# EAGLE board ControlModule-pan2 (EAGLE 7.2.0), part 2 of 9 (continued)
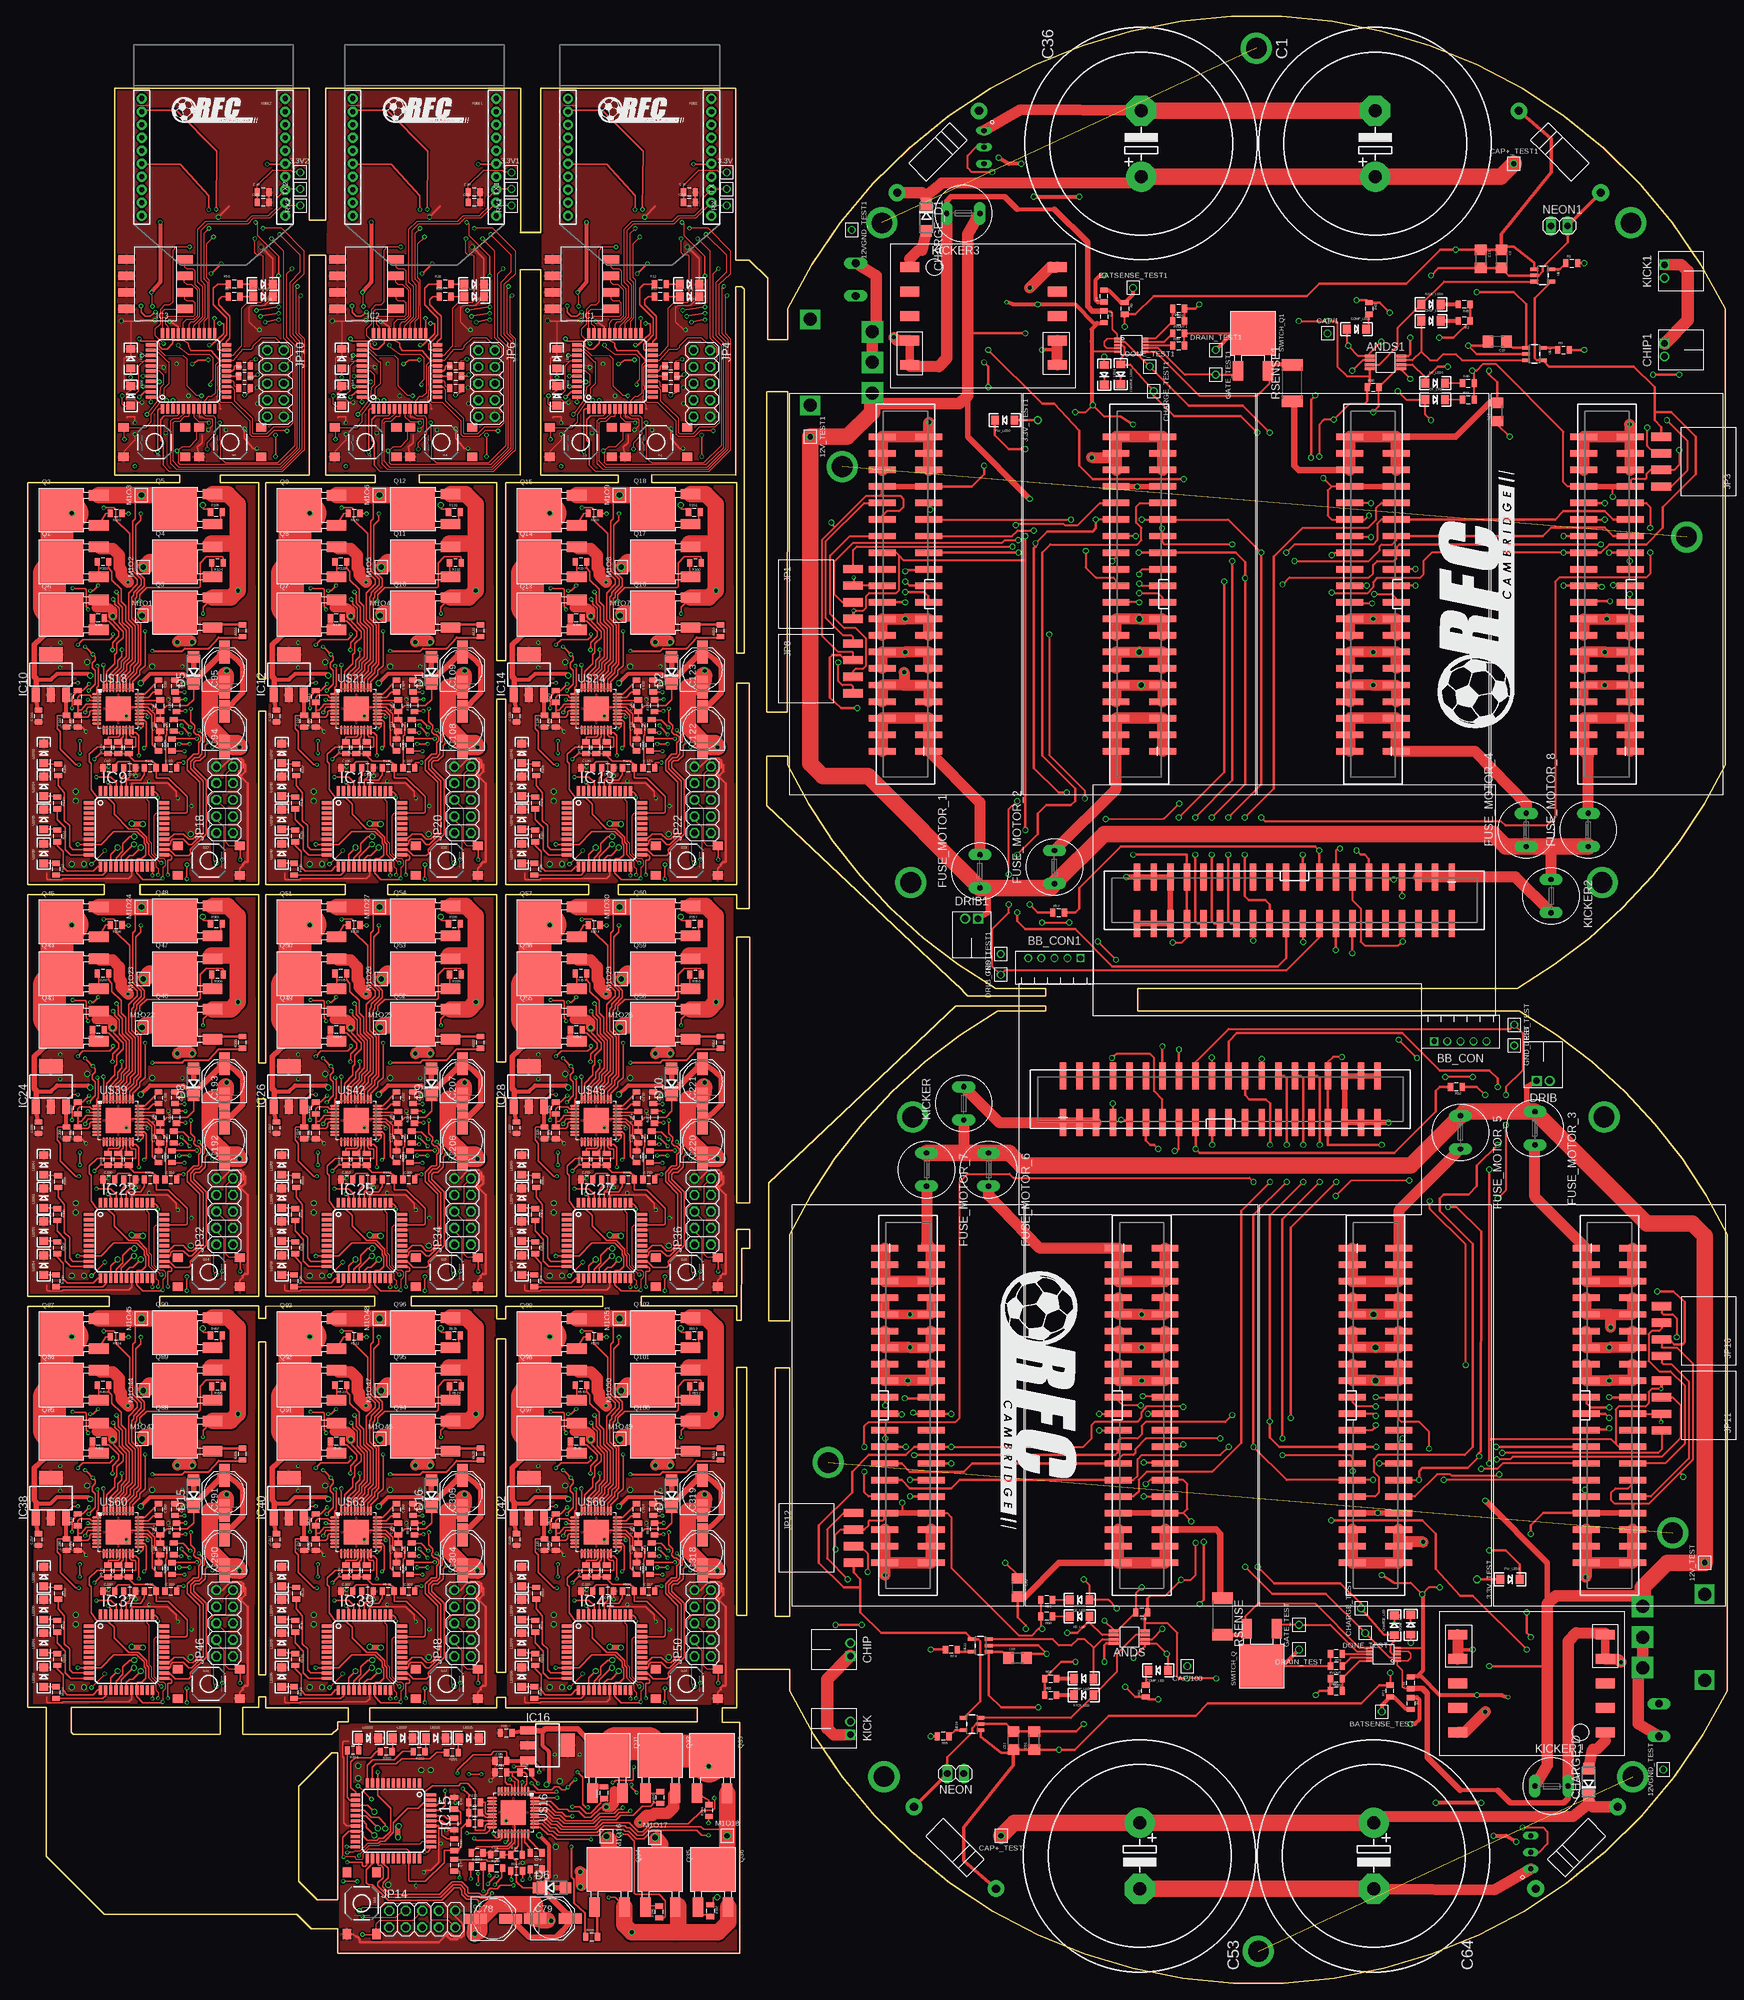
[diagram p0: board, top side]
## Nets (continued)
MOSI24: IC41.15 R545.1
N$1: DRAIN_TEST1.P$1 R39.2 RVOUT1.2 SWITCH_Q1.DRAIN U$2.P$6 U$2.P$7
N$2: CHARGE_U1.P$8 R39.1
N$3: CHARGE_U1.P$6 RSENSE1.2 SWITCH_Q1.SOURCE
N$4: IC1.23 R21.1
N$5: C4.1 CHARGE_U1.P$10 RBG1.2
N$6: JP2.28 R20.2
N$7: LED9.A R10.1
N$8: CHARGE_U1.P$9 RVOUT1.1
N$9: CHARGE_U1.P$7 GATE_TEST1.P$1 SWITCH_Q1.GATE
N$10: R1.1 U$7.5
N$11: R9.1 U$1.5
N$12: LED1.A R11.1
N$13: LED2.A R12.1
N$14: LED3.A R17.1
N$15: JP2.32 R18.2
N$16: JP2.30 R19.2
N$17: IC2.23 R33.1
N$18: JP5.28 R32.2
N$19: LED7.A R26.1
N$20: LED4.A R27.1
N$21: LED5.A R28.1
N$22: LED6.A R29.1
N$23: JP5.32 R30.2
N$24: JP5.30 R31.2
N$25: KICK_Q3.GATE R9.2
N$26: KICK_Q2.GATE R1.2
N$27: KE_LED1.C R40.1
N$28: CE_LED1.C R41.1
N$29: COMP_LED1.C R42.2
N$30: KICK_LED1.C R45.2
N$31: CHIP_LED1.C R2.2
N$32: DONE_LED1.C R4.1
N$33: CHARGE_LED1.C R3.1
N$34: BB_CON1.4 R8.2
N$35: PW_LED2.C R16.2
N$36: FUSE_MOTOR_4.2 MOTOR7.1 MOTOR7.2 MOTOR7.3 MOTOR7.4 MOTOR7.5 MOTOR7.6
N$37: FUSE_MOTOR_8.2 MOTOR8.1 MOTOR8.2 MOTOR8.3 MOTOR8.4 MOTOR8.5 MOTOR8.6
N$38: FUSE_MOTOR_2.2 MOTOR6.1 MOTOR6.2 MOTOR6.3 MOTOR6.4 MOTOR6.5 MOTOR6.6
N$39: FUSE_MOTOR_1.2 MOTOR5.1 MOTOR5.2 MOTOR5.3 MOTOR5.4 MOTOR5.5 MOTOR5.6
N$40: BB_CON1.1 R13.2
N$41: COM_BOARD1.1 COM_BOARD1.3 COM_BOARD1.5 KICKER2.2
N$46: R46.1 U$8.LOWER_RIGHT U$9.RIGHT
N$47: R46.2 R47.1 R48.2 U$9.CENTER
N$48: R49.1 U$8.LOWER_LEFT
N$49: R48.1 R50.2 U$10.4
N$50: R51.2 U$10.1
N$51: U$8.TAB U$11.-
N$52: MOTOR6.7 MOTOR6.8 MOTOR6.9 MOTOR6.10 U$12.10 U$12.11
N$53: MOTOR6.11 MOTOR6.12 MOTOR6.13 MOTOR6.14 U$12.8 U$12.9
N$54: MOTOR6.15 MOTOR6.16 MOTOR6.17 MOTOR6.18 U$12.6 U$12.7
N$55: MOTOR6.20 U$12.4
N$56: MOTOR6.19 U$12.3
N$57: MOTOR6.21 U$12.2
N$58: MOTOR6.23 U$12.1
N$59: MOTOR5.7 MOTOR5.8 MOTOR5.9 MOTOR5.10 U$27.10 U$27.11
N$60: MOTOR5.11 MOTOR5.12 MOTOR5.13 MOTOR5.14 U$27.8 U$27.9
N$61: MOTOR5.15 MOTOR5.16 MOTOR5.17 MOTOR5.18 U$27.6 U$27.7
N$62: MOTOR5.20 U$27.4
N$63: MOTOR5.19 U$27.3
N$64: MOTOR5.21 U$27.2
N$65: JP17.27 R98.2
N$66: JP17.29 R99.2
N$67: Q6.GATE R100.2
N$68: Q1.GATE R101.2
N$69: Q2.GATE R102.2
N$70: Q3.GATE R103.2
N$71: Q4.GATE R104.2
N$72: Q5.GATE R105.2
N$73: R100.1 U$18.38
N$74: R105.1 U$18.34
N$75: R104.1 U$18.37
N$76: R103.1 U$18.40
N$77: R101.1 U$18.35
N$78: R102.1 U$18.32
N$79: LED33.A R109.1
N$80: JP17.25 R97.2
N$81: C91.2 IC9.40
N$82: C90.1 U$18.30
N$83: C98.2 U$18.28
N$84: C89.2 U$18.25
N$85: R107.1 U$18.20
N$86: R118.2 U$18.18
N$87: R113.2 U$18.17
N$88: R119.2 U$18.16
N$89: R120.1 U$18.22
N$90: JP17.31 R121.2
N$91: R122.2 R123.1 U$18.2 U$18.4 U$18.6
N$92: C90.2 U$18.29
N$93: JP19.27 R126.2
N$94: JP19.29 R127.2
N$95: Q7.GATE R128.2
N$96: Q8.GATE R129.2
N$97: Q9.GATE R130.2
N$98: R106.1 U$18.21
N$99: Q10.GATE R131.2
N$100: Q11.GATE R132.2
N$101: Q12.GATE R133.2
N$102: R128.1 U$21.38
N$103: R133.1 U$21.34
N$104: R132.1 U$21.37
N$105: R131.1 U$21.40
N$106: R129.1 U$21.35
N$107: R130.1 U$21.32
N$108: R134.1 U$21.21
N$109: LED37.A R137.1
N$110: LED38.A R138.1
N$111: LED39.A R139.1
N$112: LED40.A R140.1
N$113: JP19.25 R125.2
N$114: LED34.A R110.1
N$115: C105.2 IC11.40
N$116: C104.1 U$21.30
N$117: LED35.A R111.1
N$118: C112.2 U$21.28
N$119: LED36.A R112.1
N$120: C103.2 U$21.25
N$121: R135.1 U$21.20
N$122: R146.2 U$21.18
N$123: R141.2 U$21.17
N$124: R147.2 U$21.16
N$125: R148.1 U$21.22
N$126: JP19.31 R149.2
N$127: R150.2 R151.1 U$21.2 U$21.4 U$21.6
N$128: C104.2 U$21.29
N$129: JP21.27 R154.2
N$130: JP21.29 R155.2
N$131: Q13.GATE R156.2
N$132: Q14.GATE R157.2
N$133: Q15.GATE R158.2
N$134: Q16.GATE R159.2
N$135: Q17.GATE R160.2
N$136: Q18.GATE R161.2
N$137: R156.1 U$24.38
N$138: R161.1 U$24.34
N$139: R160.1 U$24.37
N$140: R159.1 U$24.40
N$141: R157.1 U$24.35
N$142: R158.1 U$24.32
N$143: R162.1 U$24.21
N$144: LED41.A R165.1
N$145: LED42.A R166.1
N$146: LED43.A R167.1
N$147: LED44.A R168.1
N$148: JP21.25 R153.2
N$149: C119.2 IC13.40
N$150: C118.1 U$24.30
N$151: C126.2 U$24.28
N$152: C117.2 U$24.25
N$153: R163.1 U$24.20
N$154: R174.2 U$24.18
N$155: R169.2 U$24.17
N$156: R175.2 U$24.16
N$157: R176.1 U$24.22
N$158: JP21.31 R177.2
N$159: R178.2 R179.1 U$24.2 U$24.4 U$24.6
N$160: C118.2 U$24.29
N$161: MOTOR5.23 U$27.1
N$162: MOTOR7.7 MOTOR7.8 MOTOR7.9 MOTOR7.10 U$13.10 U$13.11
N$163: MOTOR7.11 MOTOR7.12 MOTOR7.13 MOTOR7.14 U$13.8 U$13.9
N$164: MOTOR7.15 MOTOR7.16 MOTOR7.17 MOTOR7.18 U$13.6 U$13.7
N$165: MOTOR7.20 U$13.4
N$166: MOTOR7.19 U$13.3
N$167: MOTOR7.21 U$13.2
N$168: MOTOR7.23 U$13.1
N$169: MOTOR8.7 MOTOR8.8 MOTOR8.9 MOTOR8.10 U$14.10 U$14.11
N$170: MOTOR8.11 MOTOR8.12 MOTOR8.13 MOTOR8.14 U$14.8 U$14.9
N$171: MOTOR8.15 MOTOR8.16 MOTOR8.17 MOTOR8.18 U$14.6 U$14.7
N$172: MOTOR8.20 U$14.4
N$173: MOTOR8.19 U$14.3
N$174: MOTOR8.21 U$14.2
N$175: MOTOR8.23 U$14.1
N$177: IC3.23 R61.1
N$178: JP9.28 R60.2
N$179: LED12.A R54.1
N$180: LED8.A R55.1
N$181: LED10.A R56.1
N$182: LED11.A R57.1
N$183: JP9.32 R58.2
N$184: JP9.30 R59.2
N$185: DRAIN_TEST.P$1 R79.2 RVOUT.2 SWITCH_Q.DRAIN U$33.P$6 U$33.P$7
N$186: CHARGE_U.P$7 GATE_TEST.P$1 SWITCH_Q.GATE
N$187: CHARGE_U.P$8 R79.1
N$188: CHARGE_U.P$6 RSENSE.2 SWITCH_Q.SOURCE
N$189: C56.1 CHARGE_U.P$10 RBG.2
N$190: CHARGE_U.P$9 RVOUT.1
N$191: R65.1 U$34.5
N$192: R74.1 U$32.5
N$193: JP13.27 R190.2
N$194: JP13.29 R191.2
N$195: Q31.GATE R192.2
N$196: Q32.GATE R193.2
N$197: Q33.GATE R194.2
N$198: Q34.GATE R195.2
N$199: Q35.GATE R196.2
N$200: Q36.GATE R197.2
N$201: R192.1 U$16.38
N$202: R197.1 U$16.34
N$203: R196.1 U$16.37
N$204: R195.1 U$16.40
N$205: R193.1 U$16.35
N$206: R194.1 U$16.32
N$207: R198.1 U$16.21
N$208: LED25.A R201.1
N$209: LED26.A R202.1
N$210: LED27.A R203.1
N$211: LED28.A R204.1
N$212: JP13.25 R189.2
N$213: C75.2 IC15.40
N$214: C74.1 U$16.30
N$215: C82.2 U$16.28
N$216: C73.2 U$16.25
N$217: R199.1 U$16.20
N$218: R210.2 U$16.18
N$219: R205.2 U$16.17
N$220: R211.2 U$16.16
N$221: R212.1 U$16.22
N$222: JP13.31 R213.2
N$223: R214.2 R215.1 U$16.2 U$16.4 U$16.6
N$224: C74.2 U$16.29
N$225: KICK_Q1.GATE R74.2
N$226: KICK_Q.GATE R65.2
N$227: KE_LED.C R80.1
N$228: CE_LED.C R81.1
N$229: COMP_LED.C R82.2
N$230: KICK_LED.C R85.2
N$231: CHIP_LED.C R66.2
N$232: DONE_LED.C R68.1
N$233: CHARGE_LED.C R67.1
N$234: BB_CON.4 R73.2
N$235: BB_CON.1 R75.2
N$236: PW_LED1.C R76.2
N$237: FUSE_MOTOR_6.2 MOTOR3.1 MOTOR3.2 MOTOR3.3 MOTOR3.4 MOTOR3.5 MOTOR3.6
N$238: FUSE_MOTOR_7.2 MOTOR4.1 MOTOR4.2 MOTOR4.3 MOTOR4.4 MOTOR4.5 MOTOR4.6
N$239: FUSE_MOTOR_5.2 MOTOR2.1 MOTOR2.2 MOTOR2.3 MOTOR2.4 MOTOR2.5 MOTOR2.6
N$240: FUSE_MOTOR_3.2 MOTOR1.1 MOTOR1.2 MOTOR1.3 MOTOR1.4 MOTOR1.5 MOTOR1.6
N$241: COM_BOARD.1 COM_BOARD.3 COM_BOARD.5 KICKER.2
N$246: R86.1 U$35.LOWER_RIGHT U$36.RIGHT
N$247: R86.2 R87.1 R88.2 U$36.CENTER
N$248: R89.1 U$35.LOWER_LEFT
N$249: R88.1 R90.2 U$37.4
N$250: R91.2 U$37.1
N$251: U$35.TAB U$47.-
N$252: MOTOR2.7 MOTOR2.8 MOTOR2.9 MOTOR2.10 U$48.10 U$48.11
N$253: MOTOR2.11 MOTOR2.12 MOTOR2.13 MOTOR2.14 U$48.8 U$48.9
N$254: MOTOR2.15 MOTOR2.16 MOTOR2.17 MOTOR2.18 U$48.6 U$48.7
N$255: MOTOR2.20 U$48.4
N$256: MOTOR2.19 U$48.3
N$257: MOTOR2.21 U$48.2
N$258: MOTOR2.23 U$48.1
N$259: MOTOR1.7 MOTOR1.8 MOTOR1.9 MOTOR1.10 U$51.10 U$51.11
N$260: MOTOR1.11 MOTOR1.12 MOTOR1.13 MOTOR1.14 U$51.8 U$51.9
N$261: MOTOR1.15 MOTOR1.16 MOTOR1.17 MOTOR1.18 U$51.6 U$51.7
N$262: MOTOR1.20 U$51.4
N$263: MOTOR1.19 U$51.3
N$264: MOTOR1.21 U$51.2
N$265: MOTOR1.23 U$51.1
N$266: MOTOR3.7 MOTOR3.8 MOTOR3.9 MOTOR3.10 U$49.10 U$49.11
N$267: MOTOR3.11 MOTOR3.12 MOTOR3.13 MOTOR3.14 U$49.8 U$49.9
N$268: MOTOR3.15 MOTOR3.16 MOTOR3.17 MOTOR3.18 U$49.6 U$49.7
N$269: MOTOR3.20 U$49.4
N$270: MOTOR3.19 U$49.3
N$271: MOTOR3.21 U$49.2
N$272: MOTOR3.23 U$49.1
N$273: MOTOR4.7 MOTOR4.8 MOTOR4.9 MOTOR4.10 U$50.10 U$50.11
N$274: MOTOR4.11 MOTOR4.12 MOTOR4.13 MOTOR4.14 U$50.8 U$50.9
N$275: MOTOR4.15 MOTOR4.16 MOTOR4.17 MOTOR4.18 U$50.6 U$50.7
N$276: MOTOR4.20 U$50.4
N$277: MOTOR4.19 U$50.3
N$278: MOTOR4.21 U$50.2
N$279: MOTOR4.23 U$50.1
N$289: JP31.27 R294.2
N$290: JP31.29 R295.2
N$291: Q43.GATE R296.2
N$292: Q44.GATE R297.2
N$293: Q45.GATE R298.2
N$294: Q46.GATE R299.2
N$295: Q47.GATE R300.2
N$296: Q48.GATE R301.2
N$297: R296.1 U$39.38
N$298: R301.1 U$39.34
N$299: R300.1 U$39.37
N$300: R299.1 U$39.40
N$301: R297.1 U$39.35
N$302: R298.1 U$39.32
N$303: R302.1 U$39.21
N$304: LED61.A R305.1
N$305: LED62.A R306.1
N$306: LED63.A R307.1
N$307: LED64.A R308.1
N$308: JP31.25 R293.2
N$309: C189.2 IC23.40
N$310: C188.1 U$39.30
N$311: C196.2 U$39.28
N$312: C187.2 U$39.25
N$313: R303.1 U$39.20
N$314: R314.2 U$39.18
N$315: R309.2 U$39.17
N$316: R315.2 U$39.16
N$317: R316.1 U$39.22
N$318: JP31.31 R317.2
N$319: R318.2 R319.1 U$39.2 U$39.4 U$39.6
N$320: C188.2 U$39.29
N$321: JP33.27 R322.2
N$322: JP33.29 R323.2
N$323: Q49.GATE R324.2
N$324: Q50.GATE R325.2
N$325: Q51.GATE R326.2
N$326: Q52.GATE R327.2
N$327: Q53.GATE R328.2
N$328: Q54.GATE R329.2
N$329: R324.1 U$42.38
N$330: R329.1 U$42.34
N$331: R328.1 U$42.37
N$332: R327.1 U$42.40
N$333: R325.1 U$42.35
N$334: R326.1 U$42.32
N$335: R330.1 U$42.21
N$336: LED65.A R333.1
N$337: LED66.A R334.1
N$338: LED67.A R335.1
N$339: LED68.A R336.1
N$340: JP33.25 R321.2
N$341: C203.2 IC25.40
N$342: C202.1 U$42.30
N$343: C210.2 U$42.28
N$344: C201.2 U$42.25
N$345: R331.1 U$42.20
N$346: R342.2 U$42.18
N$347: R337.2 U$42.17
N$348: R343.2 U$42.16
N$349: R344.1 U$42.22
N$350: JP33.31 R345.2
N$351: R346.2 R347.1 U$42.2 U$42.4 U$42.6
N$352: C202.2 U$42.29
N$353: JP35.27 R350.2
N$354: JP35.29 R351.2
N$355: Q55.GATE R352.2
N$356: Q56.GATE R353.2
N$357: Q57.GATE R354.2
N$358: Q58.GATE R355.2
N$359: Q59.GATE R356.2
N$360: Q60.GATE R357.2
N$361: R352.1 U$45.38
N$362: R357.1 U$45.34
N$363: R356.1 U$45.37
N$364: R355.1 U$45.40
N$365: R353.1 U$45.35
N$366: R354.1 U$45.32
N$367: R358.1 U$45.21
N$368: LED69.A R361.1
N$369: LED70.A R362.1
N$370: LED71.A R363.1
N$371: LED72.A R364.1
N$372: JP35.25 R349.2
N$373: C217.2 IC27.40
N$374: C216.1 U$45.30
N$375: C224.2 U$45.28
N$376: C215.2 U$45.25
N$377: R359.1 U$45.20
N$378: R370.2 U$45.18
N$379: R365.2 U$45.17
N$380: R371.2 U$45.16
N$381: R372.1 U$45.22
N$382: JP35.31 R373.2
N$383: R374.2 R375.1 U$45.2 U$45.4 U$45.6
N$384: C216.2 U$45.29
N$513: JP45.27 R490.2
N$514: JP45.29 R491.2
N$515: Q85.GATE R492.2
N$516: Q86.GATE R493.2
N$517: Q87.GATE R494.2
N$518: Q88.GATE R495.2
N$519: Q89.GATE R496.2
N$520: Q90.GATE R497.2
N$521: R492.1 U$60.38
N$522: R497.1 U$60.34
N$523: R496.1 U$60.37
N$524: R495.1 U$60.40
N$525: R493.1 U$60.35
N$526: R494.1 U$60.32
N$527: R498.1 U$60.21
N$528: LED89.A R501.1
N$529: LED90.A R502.1
N$530: LED91.A R503.1
N$531: LED92.A R504.1
N$532: JP45.25 R489.2
N$533: C287.2 IC37.40
N$534: C286.1 U$60.30
N$535: C294.2 U$60.28
N$536: C285.2 U$60.25
N$537: R499.1 U$60.20
N$538: R510.2 U$60.18
N$539: R505.2 U$60.17
N$540: R511.2 U$60.16
N$541: R512.1 U$60.22
N$542: JP45.31 R513.2
N$543: R514.2 R515.1 U$60.2 U$60.4 U$60.6
N$544: C286.2 U$60.29
N$545: JP47.27 R518.2
N$546: JP47.29 R519.2
N$547: Q91.GATE R520.2
N$548: Q92.GATE R521.2
N$549: Q93.GATE R522.2
N$550: Q94.GATE R523.2
N$551: Q95.GATE R524.2
N$552: Q96.GATE R525.2
N$553: R520.1 U$63.38
N$554: R525.1 U$63.34
N$555: R524.1 U$63.37
N$556: R523.1 U$63.40
N$557: R521.1 U$63.35
N$558: R522.1 U$63.32
N$559: R526.1 U$63.21
N$560: LED93.A R529.1
N$561: LED94.A R530.1
N$562: LED95.A R531.1
N$563: LED96.A R532.1
N$564: JP47.25 R517.2
N$565: C301.2 IC39.40
N$566: C300.1 U$63.30
N$567: C308.2 U$63.28
N$568: C299.2 U$63.25
N$569: R527.1 U$63.20
N$570: R538.2 U$63.18
N$571: R533.2 U$63.17
N$572: R539.2 U$63.16
N$573: R540.1 U$63.22
N$574: JP47.31 R541.2
N$575: R542.2 R543.1 U$63.2 U$63.4 U$63.6
N$576: C300.2 U$63.29
N$577: JP49.27 R546.2
N$578: JP49.29 R547.2
N$579: Q97.GATE R548.2
N$580: Q98.GATE R549.2
N$581: Q99.GATE R550.2
N$582: Q100.GATE R551.2
N$583: Q101.GATE R552.2
N$584: Q102.GATE R553.2
N$585: R548.1 U$66.38
N$586: R553.1 U$66.34
N$587: R552.1 U$66.37
N$588: R551.1 U$66.40
N$589: R549.1 U$66.35
N$590: R550.1 U$66.32
N$591: R554.1 U$66.21
N$592: LED97.A R557.1
N$593: LED98.A R558.1
N$594: LED99.A R559.1
N$595: LED100.A R560.1
N$596: JP49.25 R545.2
N$597: C315.2 IC41.40
N$598: C314.1 U$66.30
N$599: C322.2 U$66.28
N$600: C313.2 U$66.25
N$601: R555.1 U$66.20
N$602: R566.2 U$66.18
N$603: R561.2 U$66.17
N$604: R567.2 U$66.16
N$605: R568.1 U$66.22
N$606: JP49.31 R569.2
N$607: R570.2 R571.1 U$66.2 U$66.4 U$66.6
N$608: C314.2 U$66.29
O1: Q3.SOURCE Q4.SOURCE Q5.SOURCE R124.2 U$18.31
O2: Q10.SOURCE Q11.SOURCE Q12.SOURCE R152.2 U$21.31
O3: Q16.SOURCE Q17.SOURCE Q18.SOURCE R180.2 U$24.31
O6: Q34.SOURCE Q35.SOURCE Q36.SOURCE R216.2 U$16.31
O8: Q46.SOURCE Q47.SOURCE Q48.SOURCE R320.2 U$39.31
O9: Q52.SOURCE Q53.SOURCE Q54.SOURCE R348.2 U$42.31
O10: Q58.SOURCE Q59.SOURCE Q60.SOURCE R376.2 U$45.31
O15: Q88.SOURCE Q89.SOURCE Q90.SOURCE R516.2 U$60.31
O16: Q94.SOURCE Q95.SOURCE Q96.SOURCE R544.2 U$63.31
O17: Q100.SOURCE Q101.SOURCE Q102.SOURCE R572.2 U$66.31
PWM1: IC9.23 U$18.19
PWM2: IC11.23 U$21.19
PWM3: IC13.23 U$24.19
PWM6: IC15.23 U$16.19
PWM8: IC23.23 U$39.19
PWM9: IC25.23 U$42.19
PWM10: IC27.23 U$45.19
PWM15: IC37.23 U$60.19
PWM16: IC39.23 U$63.19
PWM17: IC41.23 U$66.19
RESET: IC1.35 JP4.6 R22.1 S3.4
RESET1: IC2.35 JP6.6 R34.1 S2.4
RESET2: IC3.35 JP10.6 R62.1 S5.4
RESET6: IC15.35 JP14.6 R209.1 S11.2
RESET8: IC9.35 JP18.6 R117.1 S17.2
RESET9: IC11.35 JP20.6 R145.1 S18.2
RESET10: IC13.35 JP22.6 R173.1 S19.2
RESET15: IC23.35 JP32.6 R313.1 S24.2
RESET16: IC25.35 JP34.6 R341.1 S25.2
RESET17: IC27.35 JP36.6 R369.1 S26.2
RESET22: IC37.35 JP46.6 R509.1 S31.2
RESET23: IC39.35 JP48.6 R537.1 S32.2
RESET24: IC41.35 JP50.6 R565.1 S33.2
RLED1: IC1.37 R11.2
RLED2: IC1.22 R17.2
RLED3: IC2.37 R27.2
RLED4: IC2.22 R29.2
RLED5: IC3.37 R55.2
RLED6: IC3.22 R57.2
RTS: IC1.25 XBEE.16
RTS1: IC2.25 XBEE1.16
RTS2: IC3.25 XBEE2.16
RX: IC1.26 RX.P$1 XBEE.2
RX1: IC2.26 RX1.P$1 XBEE1.2
RX2: IC3.26 RX2.P$1 XBEE2.2
SCK: COM_BOARD1.28 MOTOR5.29 MOTOR6.29 MOTOR7.29 MOTOR8.29
SCK1: IC1.17 R20.1
SCK2: IC2.17 R32.1
SCK3: IC3.17 R60.1
SCK4: COM_BOARD.28 MOTOR1.29 MOTOR2.29 MOTOR3.29 MOTOR4.29
SCK6: IC15.17 R191.1
SCK8: IC9.17 R99.1
SCK9: IC11.17 R127.1
SCK10: IC13.17 R155.1
SCK15: IC23.17 R295.1
SCK16: IC25.17 R323.1
SCK17: IC27.17 R351.1
SCK22: IC37.17 R491.1
SCK23: IC39.17 R519.1
SCK24: IC41.17 R547.1
SS1: COM_BOARD.20 MOTOR1.31
SS2: COM_BOARD.22 MOTOR2.31
SS3: COM_BOARD.24 MOTOR3.31
SS4: COM_BOARD.26 MOTOR4.31
SS5: COM_BOARD1.24 MOTOR7.31
SS6: COM_BOARD1.26 MOTOR8.31
SS7: COM_BOARD1.20 MOTOR5.31
SS8: COM_BOARD1.22 MOTOR6.31
SS_1: IC1.3 JP2.20
SS_2: IC1.2 JP2.22
SS_3: IC1.1 JP2.24
SS_4: IC1.44 JP2.26
SS_5: IC2.3 JP5.20
SS_6: IC2.2 JP5.22
SS_7: IC2.1 JP5.24
SS_8: IC2.44 JP5.26
SS_9: IC3.3 JP9.20
SS_10: IC3.2 JP9.22
SS_11: IC3.1 JP9.24
SS_12: IC3.44 JP9.26
SS_M: IC9.14 R121.1
SS_M1: IC11.14 R149.1
SS_M2: IC13.14 R177.1
SS_M5: IC15.14 R213.1
SS_M7: IC23.14 R317.1
SS_M8: IC25.14 R345.1
SS_M9: IC27.14 R373.1
SS_M14: IC37.14 R513.1
SS_M15: IC39.14 R541.1
SS_M16: IC41.14 R569.1
TO_DRIB: DRIB.2 DRIB_TRAN.DRAIN
TO_DRIB1: DRIB1.2 DRIB_TRAN1.DRAIN
TO_NEON: NEON.1 R77.1
TO_NEON1: NEON1.1 R37.1
TRANS_OUT: CHARGE_D.A U$33.P$1
TRANS_OUT1: CHARGE_D1.A U$2.P$1
TSENSE1: IC9.22 U$17.2
TSENSE2: IC11.22 U$20.2
TSENSE3: IC13.22 U$23.2
TSENSE6: IC15.22 U$15.2
TSENSE8: IC23.22 U$38.2
TSENSE9: IC25.22 U$41.2
TSENSE10: IC27.22 U$44.2
TSENSE15: IC37.22 U$59.2
TSENSE16: IC39.22 U$62.2
TSENSE17: IC41.22 U$65.2
TX: IC1.27 TX.P$1 XBEE.3
TX1: IC2.27 TX1.P$1 XBEE1.3
TX2: IC3.27 TX2.P$1 XBEE2.3
UNBUF_DIVCAP: CAP_SENSE_BUF.3 CLAMP1.A CLAMP2.C R69.1 R70.2
UNBUF_DIVCAP1: CAP_SENSE_BUF1.3 CLAMP3.A CLAMP4.C R14.1 R15.2
XBRST: R21.2 S1.4 XBEE.5
XBRST1: R33.2 S4.4 XBEE1.5
XBRST2: R61.2 S6.4 XBEE2.5

## Tracks (layer width: path | path; a pad name or v marks a point on that pad's centre or on a via)
3.3V  (via drill 0.38, 0.6)
  Top 0.305: 205.91,246.61 205.91,245.35 R38.1 205.5,242.77 | 205.91,246.61 ANDS1.P$8 205.91,245.24 205.53,244.86 205.53,242.8 205.5,242.77 | JP8.4 126.63,198.98 126.39,199.22 124.96,199.22 124.33,199.86 v124.33,202.71 | v126.71,210.65 126.71,209.46 JP1.4 126.63,210.57 v126.71,210.65 | v126.71,210.65 128.14,210.65 128.62,211.13 128.62,212.87 129.09,213.35 133.22,213.35 133.7,213.83 133.7,219.07 | 133.7,219.07 133.22,219.54 MOTOR5.26 | 133.7,219.07 134.33,218.43 152.9,218.43 153.06,218.27 | 205.5,242.77 205.13,242.4 202.83,242.4 v200.37,239.94 198.86,239.94 198.15,239.23 v198.15,234.31 | v194.97,255.1 v199.42,255.1 200.69,255.1 200.93,254.86 200.93,248.12 202.43,246.61 205.91,246.61 | v200.05,219.15 200.45,219.54 MOTOR7.26 | 231.17,249.39 231.49,249.07 232.52,249.07 232.52,248.99 233.39,248.12 246.41,248.12 | 241.33,219.54 215.37,219.54 214.1,218.27 214.1,216.21 213.55,215.65 206.96,215.65 206.4,215.02 206.4,214.22 205.53,213.27 200.21,213.27 v200.05,213.43
  Top 0.406: U$7.4 231.17,258.57 231.17,249.39 231.48,249.07 U$1.4 233.42,248.12 246.41,248.12 249.58,244.94 249.58,241.13 | v153.06,222.08 153.06,218.27 v153.06,177 | R52.1 154.97,164.3 v153.7,165.57 | PW_LED2.A 3.3V_TEST1.P$1 | v166.4,218.27 167.03,218.91 167.03,219.47 MOTOR6.26 | v235.61,219.54 MOTOR8.26 241.33,219.54 242.6,220.81 248.31,220.81 250.85,223.35 250.85,226.53 255.93,231.61 255.93,237.32 252.12,241.13 249.58,241.13 | JP3.4 250.61,238.83 249.58,239.86 249.58,241.13
  Bottom 0.305: 3.3REG3.SOURCE 167.24,241.13 200.05,241.13 200.37,241.45 CAP_COMP1.5 v200.37,239.94 | C35.1 199.5,256.11 CAP_SENSE_BUF1.5 199.42,256.03 v199.42,255.1 199.42,256.05 199.47,256.11 C35.1 | C35.1 205.01,256.11 arc90 CLAMP3.C | v124.33,202.71 124.33,208.27 v126.71,210.65 | R13.1 159.15,161.39 157.51,163.03 157.51,164.03 R52.1 154.97,164.3 | 154.97,164.3 v153.7,165.57 | C2.1 192.43,257.01 194.34,255.1 v194.97,255.1 | v198.15,234.31 198.15,234.15 200.69,231.61 200.69,219.78 v200.05,219.15 v200.05,213.43 | C12.1 153.06,162.39 154.97,164.3
  Bottom 0.406: C39.1 150.79,226.26 152.43,224.62 152.43,222.72 v153.06,222.08 162.59,222.08 v166.4,218.27 | v153.7,165.57 153.7,176.36 v153.06,177 | C11.1 154.97,234.65 3.3V_TEST1.P$1 | JP7.4 245.77,189.7 236.25,199.22 236.25,210.65 233.07,213.83 233.07,217 v235.61,219.54
  Bottom 0.61: C39.1 C38.1 151.92,229.57 C11.1 152.16,231.37 3.3REG3.SOURCE
3.3V1  (via drill 0.41 pad 0.25)
  Top 0.152: 3.3V.P$1 106.11,277.9 105.77,278.23 102.95,278.23 100.55,275.83 100.55,275.09
  Top 0.178: 94.85,249.02 94.17,248.34 94.17,244.06 93.56,243.45 93.09,243.45 92.45,242.81 92.45,241.64 | v92.93,235.43 92.93,236.46 94.18,237.72 94.18,240.29 93.96,240.51 92.77,240.51 92.45,240.75 92.45,241.6 | 95.88,249.01 96.9,249.01 98.33,250.67 99.6,250.67 99.91,250.99 99.91,251.23 101.18,252.5 103.41,252.5 104.22,251.69 105.02,251.69 105.7,251.01 105.7,249.08 JP4.4
  Top 0.254: 100.55,275.09 C15.2 C14.2 | 87.67,252.36 87.69,252.02 | 92.45,241.64 IC1.9 92.45,241.6 | IC1.31 87.67,252.36 | 87.67,252.14 87.67,251.69 86.79,250.8 85.98,250.8 85.98,250.82 85.56,251.24 85.56,251.6 85.14,252.02 82.77,252.02 v82.51,252.36 | 95.88,249.01 IC1.19 94.85,249.02 94.82,249.02 93.51,250.55 90.43,250.55 90.06,251.12 90.05,251.73 89.16,252.14 87.67,252.14 | 87.67,252.14 87.67,252.36
  Bottom 0.152: 3.3V.P$1 107.22,287.74 106.74,288.23 102.14,288.23 100.87,289.49 85.15,289.49 83.88,288.23 80.87,288.23 80.07,287.42 80.07,269.33 79.91,269.09 79.75,259.64 79.91,259.48 81.39,259.48
  Bottom 0.178: C8.1 93.41,234.72 v92.93,235.43 92.53,235.75 92.48,235.8 83.35,235.8
  Bottom 0.254: R22.2 83.35,235.8 82.45,236.62 81.82,236.62 80.86,237.58 80.86,238.48 R5.2 | C22.1 81.92,251.81 v82.51,252.36 82.62,252.48 82.56,256.32 82.41,256.47 81.21,256.47 | XBEE.1 105.63,271.23 106.26,271.87 106.26,276.95 3.3V.P$1 | 81.39,259.48 3.3REG.SOURCE | C17.1 97.43,235.7 97.37,235.75 94.68,235.75 94.36,235.51 94.36,234.77 C8.1
  Bottom 0.61: 3.3REG.SOURCE 81.42,256.68 81.21,256.47 C9.1 | C22.1 C16.1
3.3V2  (via drill 0.41 pad 0.25)
  Top 0.152: 3.3V1.P$1 73.09,277.9 72.75,278.23 69.93,278.23 67.53,275.83 67.53,275.09
  Top 0.178: 61.83,249.02 61.15,248.34 61.15,244.06 60.54,243.45 60.07,243.45 59.43,242.81 59.43,241.64 | v59.91,235.43 59.91,236.46 61.16,237.72 61.16,240.29 60.94,240.51 59.75,240.51 59.43,240.75 59.43,241.6 | 62.86,249.01 63.88,249.01 65.31,250.67 66.58,250.67 66.89,250.99 66.89,251.23 68.16,252.5 70.39,252.5 71.2,251.69 72,251.69 72.68,251.01 72.68,249.08 JP6.4
  Top 0.254: 67.53,275.09 C26.2 C25.2 | 54.65,252.36 54.67,252.02 | 59.43,241.64 IC2.9 59.43,241.6 | IC2.31 54.65,252.36 | 54.65,252.14 54.65,251.69 53.77,250.8 52.96,250.8 52.96,250.82 52.54,251.24 52.54,251.6 52.12,252.02 49.75,252.02 v49.49,252.36 | 62.86,249.01 IC2.19 61.83,249.02 61.8,249.02 60.49,250.55 57.41,250.55 57.04,251.12 57.03,251.73 56.14,252.14 54.65,252.14 | 54.65,252.14 54.65,252.36
  Bottom 0.152: 3.3V1.P$1 74.2,287.74 73.72,288.23 69.12,288.23 67.85,289.49 52.13,289.49 50.86,288.23 47.85,288.23 47.05,287.42 47.05,269.33 46.89,269.09 46.73,259.64 46.89,259.48 48.37,259.48
  Bottom 0.178: C23.1 60.39,234.72 v59.91,235.43 59.51,235.75 59.46,235.8 50.33,235.8
  Bottom 0.254: R34.2 50.33,235.8 49.43,236.62 48.8,236.62 47.84,237.58 47.84,238.48 R25.2 | C33.1 48.9,251.81 v49.49,252.36 49.6,252.48 49.54,256.32 49.39,256.47 48.19,256.47 | XBEE1.1 72.61,271.23 73.24,271.87 73.24,276.95 3.3V1.P$1 | 48.37,259.48 3.3REG1.SOURCE | C28.1 64.41,235.7 64.35,235.75 61.66,235.75 61.34,235.51 61.34,234.77 C23.1
  Bottom 0.61: 3.3REG1.SOURCE 48.4,256.68 48.19,256.47 C24.1 | C33.1 C27.1
3.3V3  (via drill 0.41 pad 0.25)
  Top 0.152: 3.3V2.P$1 40.7,277.9 40.37,278.23 37.54,278.23 35.14,275.83 35.14,275.09
  Top 0.178: 29.44,249.02 28.77,248.34 28.77,244.06 28.16,243.45 27.68,243.45 27.05,242.81 27.05,241.64 | v27.52,235.43 27.52,236.46 28.78,237.72 28.78,240.29 28.56,240.51 27.37,240.51 27.05,240.75 27.05,241.6 | 30.48,249.01 31.49,249.01 32.92,250.67 34.19,250.67 34.51,250.99 34.51,251.23 35.78,252.5 38,252.5 38.81,251.69 39.62,251.69 40.29,251.01 40.29,249.08 JP10.4
  Top 0.254: 35.14,275.09 C43.2 C42.2 | 22.27,252.36 22.29,252.02 | 27.05,241.64 IC3.9 27.05,241.6 | IC3.31 22.27,252.36 | 22.27,252.14 22.27,251.69 21.38,250.8 20.58,250.8 20.58,250.82 20.15,251.24 20.15,251.6 19.73,252.02 17.36,252.02 v17.11,252.36 | 30.48,249.01 IC3.19 29.44,249.02 29.42,249.02 28.1,250.55 25.02,250.55 24.66,251.12 24.65,251.73 23.75,252.14 22.27,252.14 | 22.27,252.14 22.27,252.36
  Bottom 0.152: 3.3V2.P$1 41.81,287.74 41.34,288.23 36.73,288.23 35.46,289.49 19.75,289.49 18.48,288.23 15.46,288.23 14.67,287.42 14.67,269.33 14.51,269.09 14.35,259.64 14.51,259.48 15.98,259.48
  Bottom 0.178: C40.1 28,234.72 v27.52,235.43 27.13,235.75 27.07,235.8 17.95,235.8
  Bottom 0.254: R62.2 17.95,235.8 17.05,236.62 16.41,236.62 15.46,237.58 15.46,238.48 R53.2 | C50.1 16.52,251.81 v17.11,252.36 17.22,252.48 17.16,256.32 17.01,256.47 15.81,256.47 | XBEE2.1 40.23,271.23 40.86,271.87 40.86,276.95 3.3V2.P$1 | 15.98,259.48 3.3REG2.SOURCE | C45.1 32.02,235.7 31.97,235.75 29.27,235.75 28.95,235.51 28.95,234.77 C40.1
  Bottom 0.61: 3.3REG2.SOURCE 16.02,256.68 15.81,256.47 C41.1 | C50.1 C44.1
3.3V4  (via drill 0.38, 0.6)
  Top 0.305: 171.4,55.25 171.4,56.51 R78.1 171.81,59.09 | 171.4,55.25 ANDS.P$8 171.4,56.62 171.78,57 171.78,59.06 171.81,59.09 | JP16.4 250.68,102.88 250.92,102.64 252.35,102.64 252.98,102 v252.98,99.15 | v250.6,91.21 250.6,92.4 JP11.4 250.68,91.29 v250.6,91.21 | v250.6,91.21 249.17,91.21 248.69,90.73 248.69,88.99 248.22,88.51 244.09,88.51 243.61,88.03 243.61,82.79 | 243.61,82.79 244.09,82.32 MOTOR1.26 | 243.61,82.79 242.98,83.43 224.41,83.43 224.25,83.59 | 171.81,59.09 172.18,59.46 174.48,59.46 v176.94,61.92 178.45,61.92 179.16,62.63 v179.16,67.55 | v182.34,46.76 v177.89,46.76 176.62,46.76 176.38,47 176.38,53.74 174.88,55.25 171.4,55.25 | v177.26,82.72 176.86,82.32 MOTOR3.26 | 146.14,52.47 145.82,52.79 144.79,52.79 144.79,52.87 143.92,53.74 130.9,53.74 | 135.98,82.32 161.94,82.32 163.21,83.59 163.21,85.65 163.76,86.21 170.35,86.21 170.91,86.84 170.91,87.64 171.78,88.59 177.1,88.59 v177.26,88.43
  Top 0.406: U$34.4 146.14,43.29 146.14,52.47 145.83,52.79 U$32.4 143.89,53.74 130.9,53.74 127.73,56.92 127.73,60.73 | v224.25,79.78 224.25,83.59 v224.25,124.86 | R92.1 222.34,137.56 v223.61,136.29 | PW_LED1.A 3.3V_TEST.P$1 | v210.91,83.59 210.28,82.95 210.28,82.39 MOTOR2.26 | v141.7,82.32 MOTOR4.26 135.98,82.32 134.71,81.05 129,81.05 126.46,78.51 126.46,75.33 121.38,70.25 121.38,64.54 125.19,60.73 127.73,60.73 | JP12.4 126.7,63.03 127.73,62 127.73,60.73
  Bottom 0.305: 3.3REG4.SOURCE 210.07,60.73 177.26,60.73 176.94,60.41 CAP_COMP.5 v176.94,61.92 | C63.1 177.81,45.75 CAP_SENSE_BUF.5 177.89,45.83 v177.89,46.76 177.89,45.81 177.84,45.75 C63.1 | C63.1 172.3,45.75 arc90 CLAMP1.C | v252.98,99.15 252.98,93.59 v250.6,91.21 | R75.1 218.16,140.47 219.8,138.83 219.8,137.83 R92.1 222.34,137.56 | 222.34,137.56 v223.61,136.29 | C54.1 184.88,44.85 182.97,46.76 v182.34,46.76 | v179.16,67.55 179.16,67.71 176.62,70.25 176.62,82.08 v177.26,82.72 v177.26,88.43 | C52.1 224.25,139.47 222.34,137.56
  Bottom 0.406: C67.1 226.52,75.6 224.88,77.24 224.88,79.14 v224.25,79.78 214.72,79.78 v210.91,83.59 | v223.61,136.29 223.61,125.5 v224.25,124.86 | C51.1 222.34,67.21 3.3V_TEST.P$1 | JP15.4 131.54,112.16 141.06,102.64 141.06,91.21 144.24,88.03 144.24,84.86 v141.7,82.32